# Altium PCB PCB1.PcbDoc
Units mm, origin at the board's own origin, x right, y up, seen from the top; angles counter-clockwise.
Board outline 100.26 x 100.32 mm, 4 copper layers (Top Layer, GND, PWR, Bottom Layer), stack 0.603 mm thick; 32 components, 47 nets, 161 pads, 43 vias.
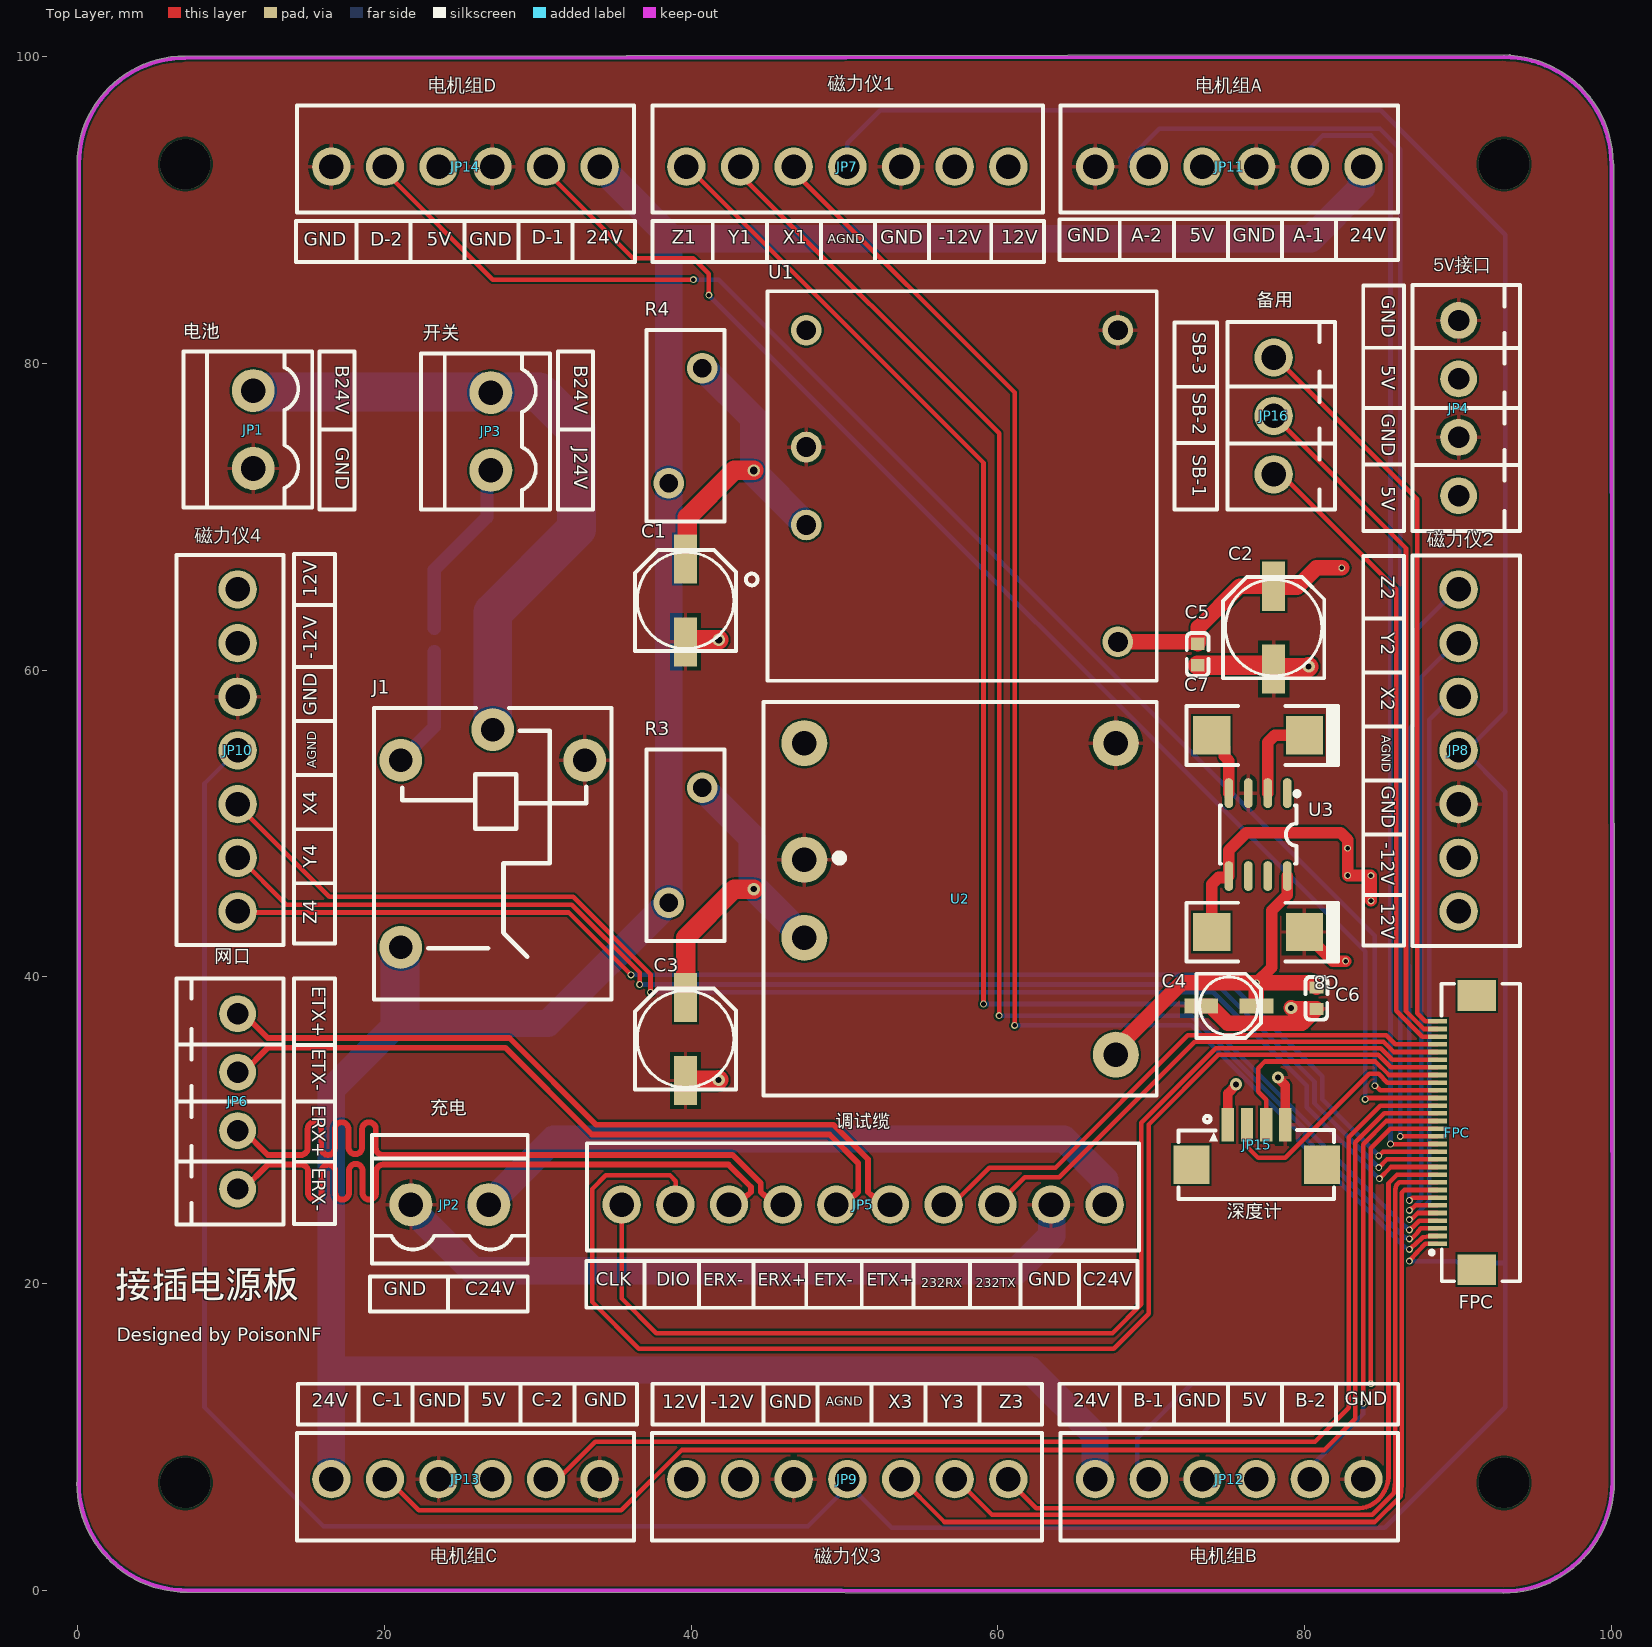
[diagram p0: Top Layer view]
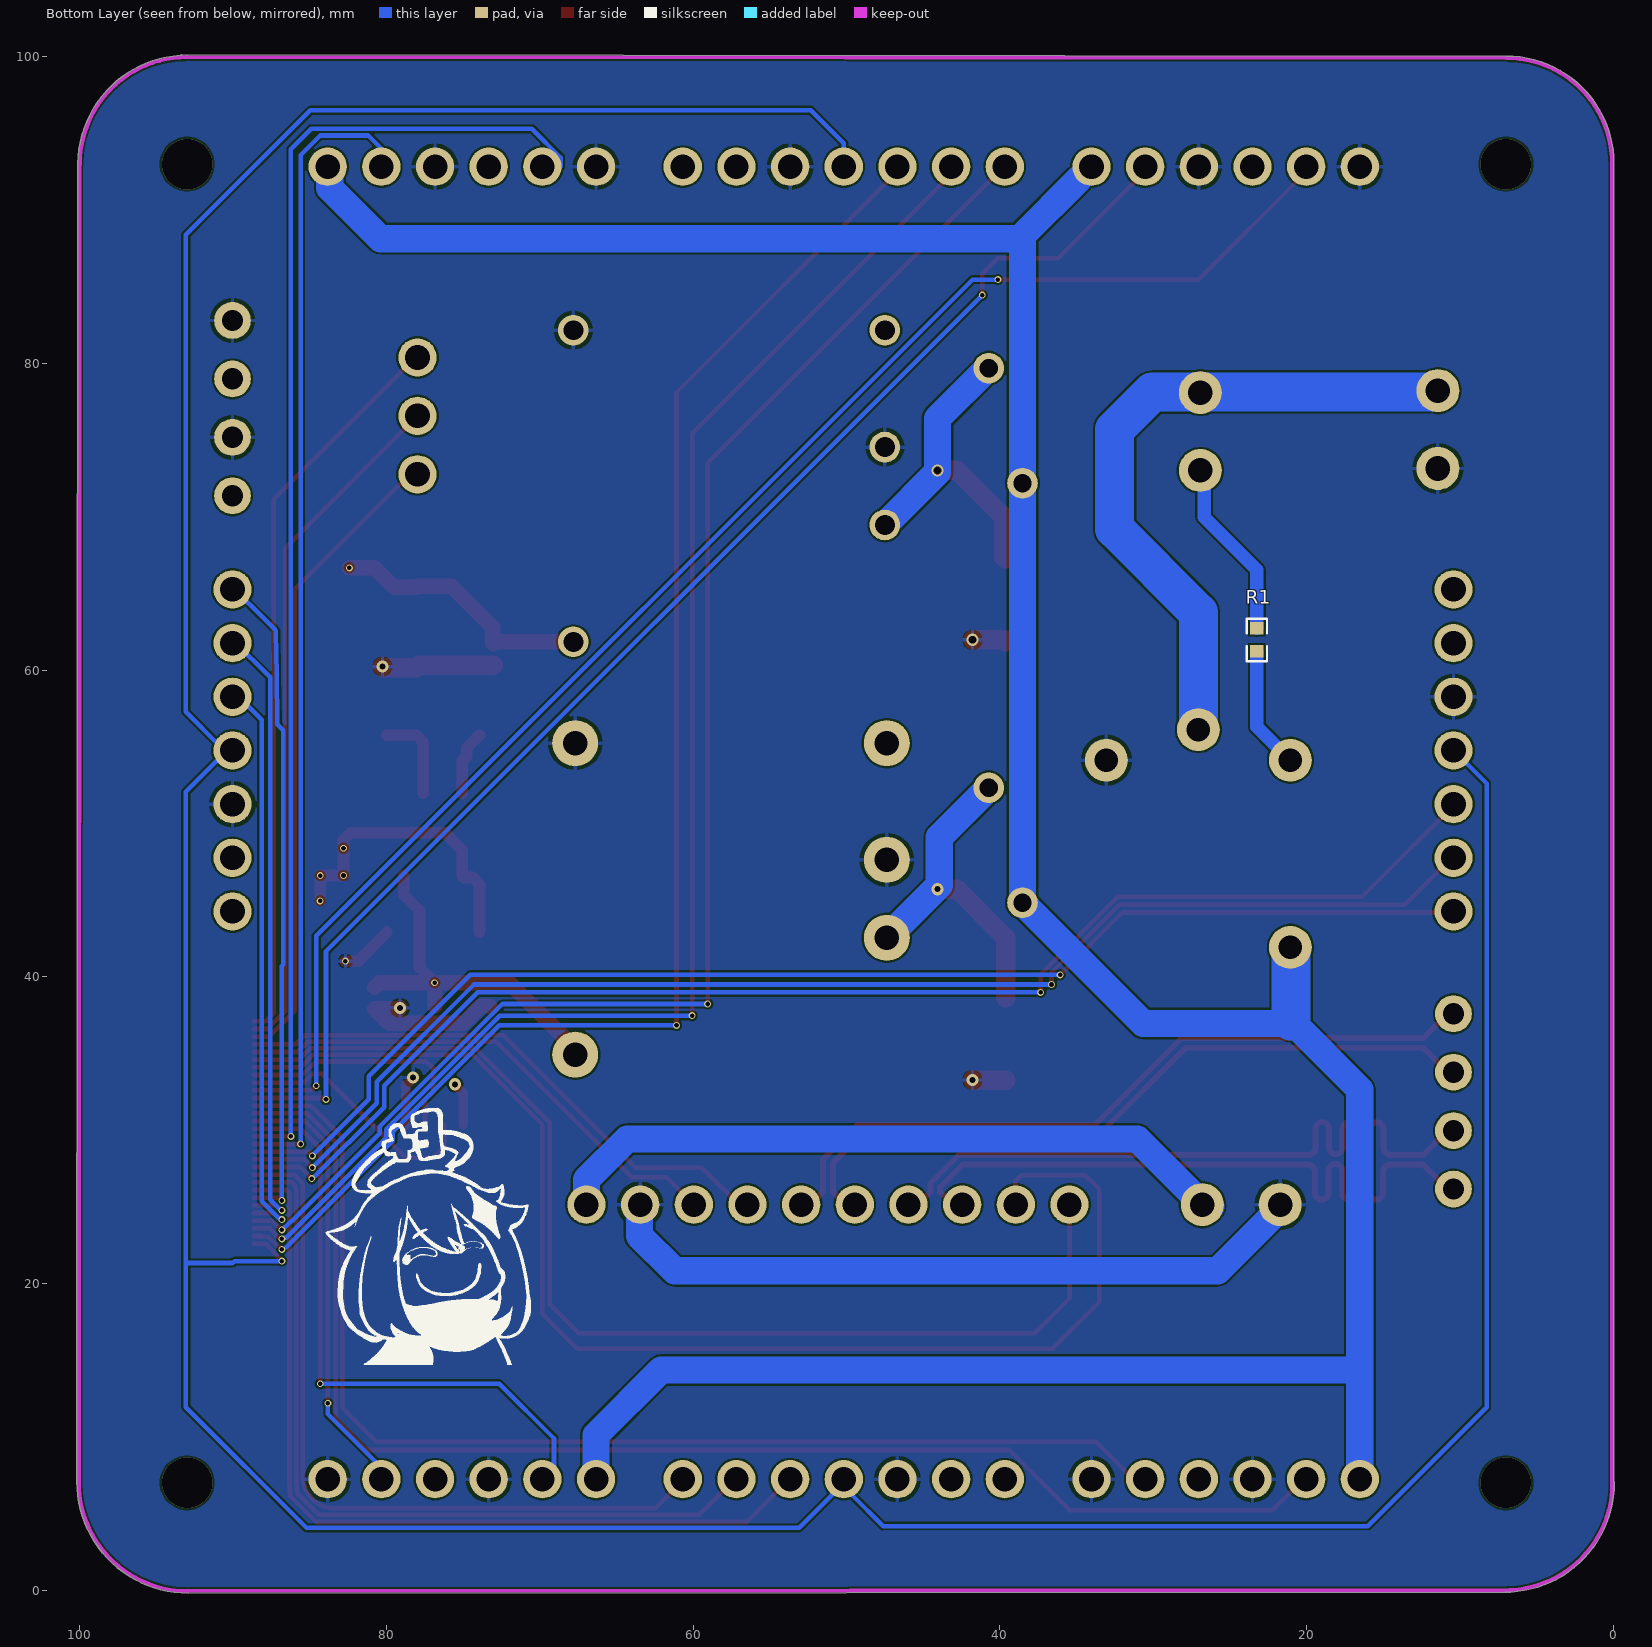
[diagram p1: Bottom Layer view, seen from below]
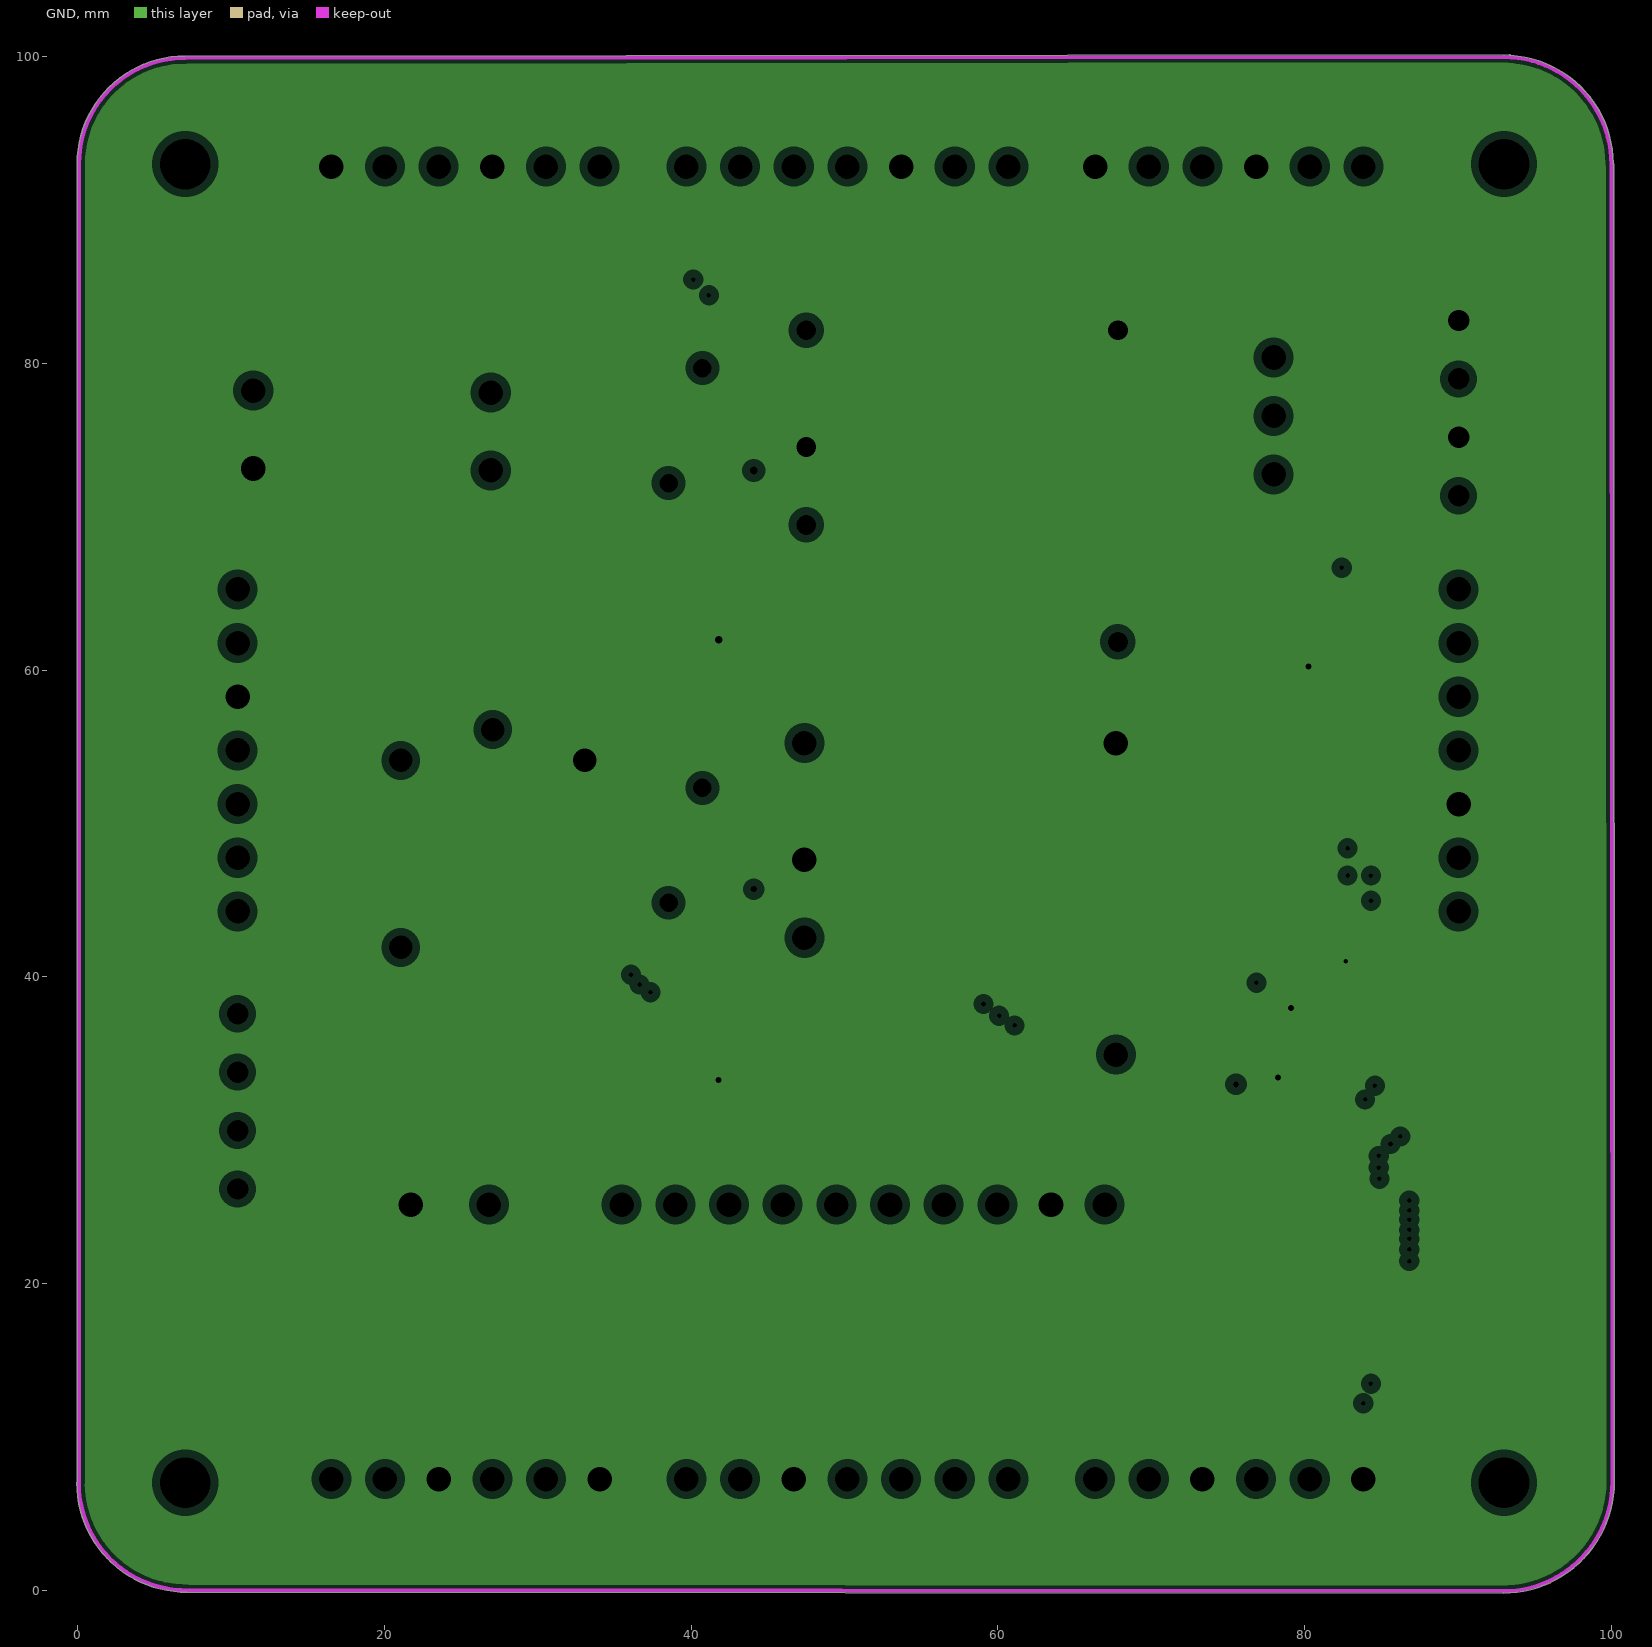
[diagram p2: GND, clearances drawn from the general rule]
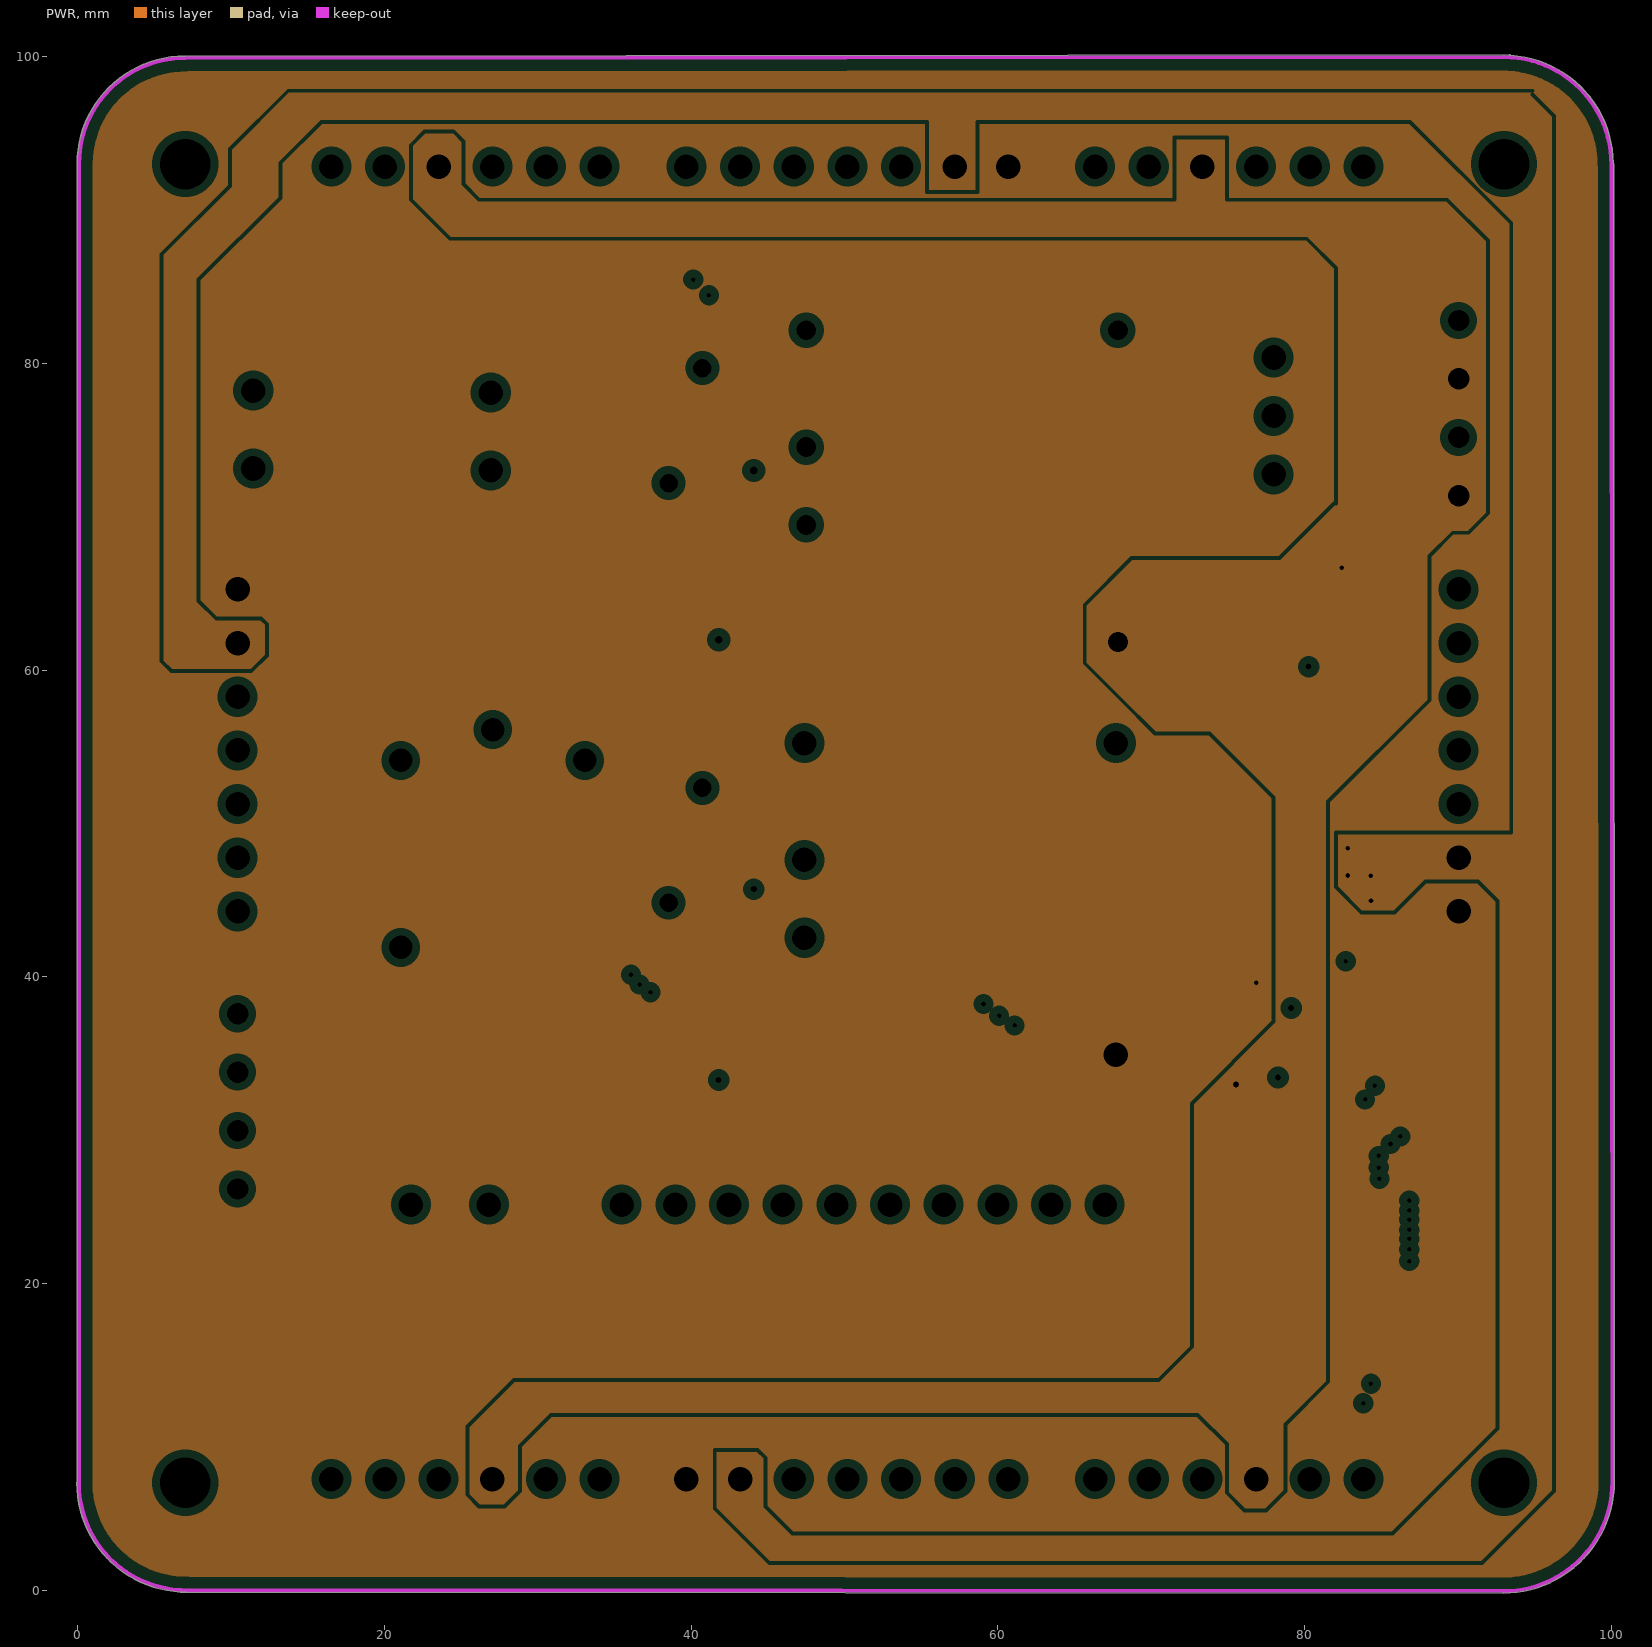
[diagram p3: PWR, clearances drawn from the general rule]

## Layer stack, top to bottom
Top Solder: solder mask 0.0102, Solder Resist, Dk 3.5
Top Layer: signal copper 0.0356
Dielectric 2: prepreg 0.0711, PP-006, Dk 4.1
GND: plane copper 0.035, net GND
Dielectric 1: dielectric 0.32, FR-4, Dk 4.8
PWR: plane copper 0.035, net 12V
Dielectric 3: prepreg 0.0711, PP-006, Dk 4.1
Bottom Layer: signal copper 0.0356
Bottom Solder: solder mask 0.0102, Solder Resist, Dk 3.5

## Board outline
6.69,-0.121 ccw(c6.731,0) 6.731,-0.127 6.866,-0.127 ccw(c7.056,6.998) 7.056,-0.13 ccw(c7.056,-0.003) 7.081,-0.128 92.938,-0.194 ccw(c92.938,7.061) 100.193,7.061 100.15,92.977 ccw(c100.023,92.977) 100.127,93.05 ccw(c93,92.977) 93.434,100.092 ccw(c93.345,100) 93.345,100.127 6.975,100.052 ccw(c6.975,93.026) -0.051,93.026 -0.051,7.066 ccw(c0.056,6.997) -0.071,6.997 ccw(c7.056,6.997)

## Design rules (kind name [scope] priority, off if disabled: settings)
Clearance [All] p1: gap=0.127 ignorepadtopadclearanceinfootprint=FALSE
DiffPairsRouting [All] p1: maxlimit=0.254 minlimit=0.254 mostfreqgap=0.254 toplayer_minwidth=0.381 toplayer_maxwidth=0.381 toplayer_prefwidth=0.381 bottomlayer_minwidth=0.381 bottomlayer_maxwidth=0.381 bottomlayer_prefwidth=0.381 maxuncoupledlength=12.7
MinimumSolderMaskSliver [All] p1: minsoldermaskwidth=0
PlaneClearance [All] p1: clearance=0.508
PlaneConnect [All] p1: planeconnectstyle=Relief reliefexpansion=0.508 reliefentries=4 reliefconductorwidth=0.254 reliefairgap=0.254
PolygonConnect [All] p1: connectstyle=Relief reliefconductorwidth=0.254 reliefentries=4 polygonreliefangle="90 Angle" airgapwidth=0.254
RoutingVias [All] p1: holewidth=0.711 width=1.27 viastyle="Through Hole" minholewidth=0.711 minwidth=1.27 maxholewidth=0.711 maxwidth=1.27
SilkToSilkClearance [All] p1: silktosilkclearance=0
SilkToSolderMaskClearance [IsPad] p1: minsilkscreentomaskgap=0 clearancetoexposedcopper=TRUE
SolderMaskExpansion [All] p1: expansion=0.102 istentingtop=FALSE
Width [All] p1: maxlimit=2.54 minlimit=0.254 preferedwidth=0.762 bottomlayer_prefwidth=0.3 minimp=50.000000 maximp=50.000000 favimp=50.000000
24 further rules are at their usual default settings.

## Classes and differential pairs
differential pair ETX: +ETX_P -ETX_N
differential pair ERX: +ERX_P -ERX_N

## Components (designator, comment, footprint, x,y, rotation, side; value= is the part's Value field where it differs from the comment)
C1 "100uF/50V" "CM D(6.3*7.7)" 39.624,64.549 r90 top
C2 "220uF/10V" "CM D(6.3*5.4)" 77.978,62.771 r90 top
C3 "100uF/50V" "CM D(6.3*7.7)" 39.624,35.941 r90 top
C4 "10uF/25V" "CM B(4*5.4)" 75.057,38.1 r0 top
C5 "1uF" C0603 73.025,61.025 r90 top value=100nF
C6 "1uF" C0603 80.772,38.608 r90 top value=100nF
C7 "10uF/35V" CASE-C_6032 76.962,55.753 r0 top value=10uF
C8 "10uF/35V" CASE-C_6032 76.962,42.926 r0 top value=10uF
FPC "FPC-05F-30PH20" FPC-SMD_30P-P0.50_XUNPU_FPC-05F-30PH20 89.943,29.845 r90 top
J1 "JQC-3FF/024-1HS(551)" RELAY-TH_JQC-3FF-1HXX 27.051,49.022 r270 top
JP1 "KF2EDGV-5.08-2P" CONN-TH_P5.08_KF2EDGV-5.08-2P 11.43,75.692 r270 top
JP2 "KF2EDGV-5.08-2P" CONN-TH_P5.08_KF2EDGV-5.08-2P 24.257,25.146 r180 top
JP3 "KF2EDGV-5.08-2P" CONN-TH_P5.08_KF2EDGV-5.08-2P 26.924,75.565 r270 top
JP4 "KF2EDGV-3.81-4P_C441334" CONN-TH_4P-P3.81_KF2EDGV-3.81-4P 90.043,77.089 r90 top
JP5 "KF2EDGV-3.5-10P" CONN-TH_10P-P3.50_KF2EDGV-3.5-10P 51.209,25.146 r180 top
JP6 "KF2EDGV-3.81-4P_C441334" CONN-TH_4P-P3.81_KF2EDGV-3.81-4P 10.414,31.877 r270 top
JP7 "KF2EDGV-3.5-7P" CONN-TH_7P-P3.50_KF2EDGV-3.5-7P 50.179,92.837 r180 top
JP8 "KF2EDGV-3.5-7P" CONN-TH_7P-P3.50_KF2EDGV-3.5-7P 90.043,54.765 r90 top
JP9 "KF2EDGV-3.5-7P" CONN-TH_7P-P3.50_KF2EDGV-3.5-7P 50.179,7.239 r0 top
JP10 "KF2EDGV-3.5-7P" CONN-TH_7P-P3.50_KF2EDGV-3.5-7P 10.414,54.765 r270 top
JP11 "KF2EDGV-3.5-6P" CONN-TH_6P-P3.50_KF2EDGV-3.5-6P 75.085,92.837 r180 top
JP12 "KF2EDGV-3.5-6P" CONN-TH_6P-P3.50_KF2EDGV-3.5-6P 75.085,7.239 r0 top
JP13 "KF2EDGV-3.5-6P" CONN-TH_6P-P3.50_KF2EDGV-3.5-6P 25.273,7.239 r0 top
JP14 "KF2EDGV-3.5-6P" CONN-TH_6P-P3.50_KF2EDGV-3.5-6P 25.273,92.837 r180 top
JP15 "HC-1.25-4PWT" CONN-SMD_4P-P1.25-HC-1.25-4PWT 76.865,29.053 r0 top
JP16 "KF2EDGV-3.81-3P" CONN-TH_3P-P3.81_KF2EDGV-3.81-3P 77.978,76.581 r90 top
R1 "0" R0603 23.241,61.976 r270 bottom value=10kΩ
R3 "MF72 22D9" RES-TH_L12.5-W5.1-P7.50-D1.2-S2.20 39.624,48.58 r90 top
R4 "MF72 22D9" RES-TH_L12.5-W5.1-P7.50-D1.2-S2.20 39.624,75.946 r90 top
U1 "TDK15-24S05" PWRM-TH_TDK-XXSXX 57.658,72.009 r0 top
U2 "URB2412YMD-10WR3_C5183122" PWRM-TH_HI-LINK_URXXYMD-XXWR3 57.531,45.085 r0 top
U3 "ICL7662EBA+T" SOIC-8_L5.0-W4.0-P1.27-LS6.0-BL 76.962,49.276 r180 top
